# Altium PCB druino_uno_pcb.PcbDoc (part 2 of 3)
Units mm, origin at the board's own origin, x right, y up, seen from the top; angles counter-clockwise.
Board outline 68.58 x 53.34 mm, 4 copper layers (TOP, PWR, GND, BOT), stack 1.466 mm thick; 228 components, 134 nets, 720 pads, 314 vias.
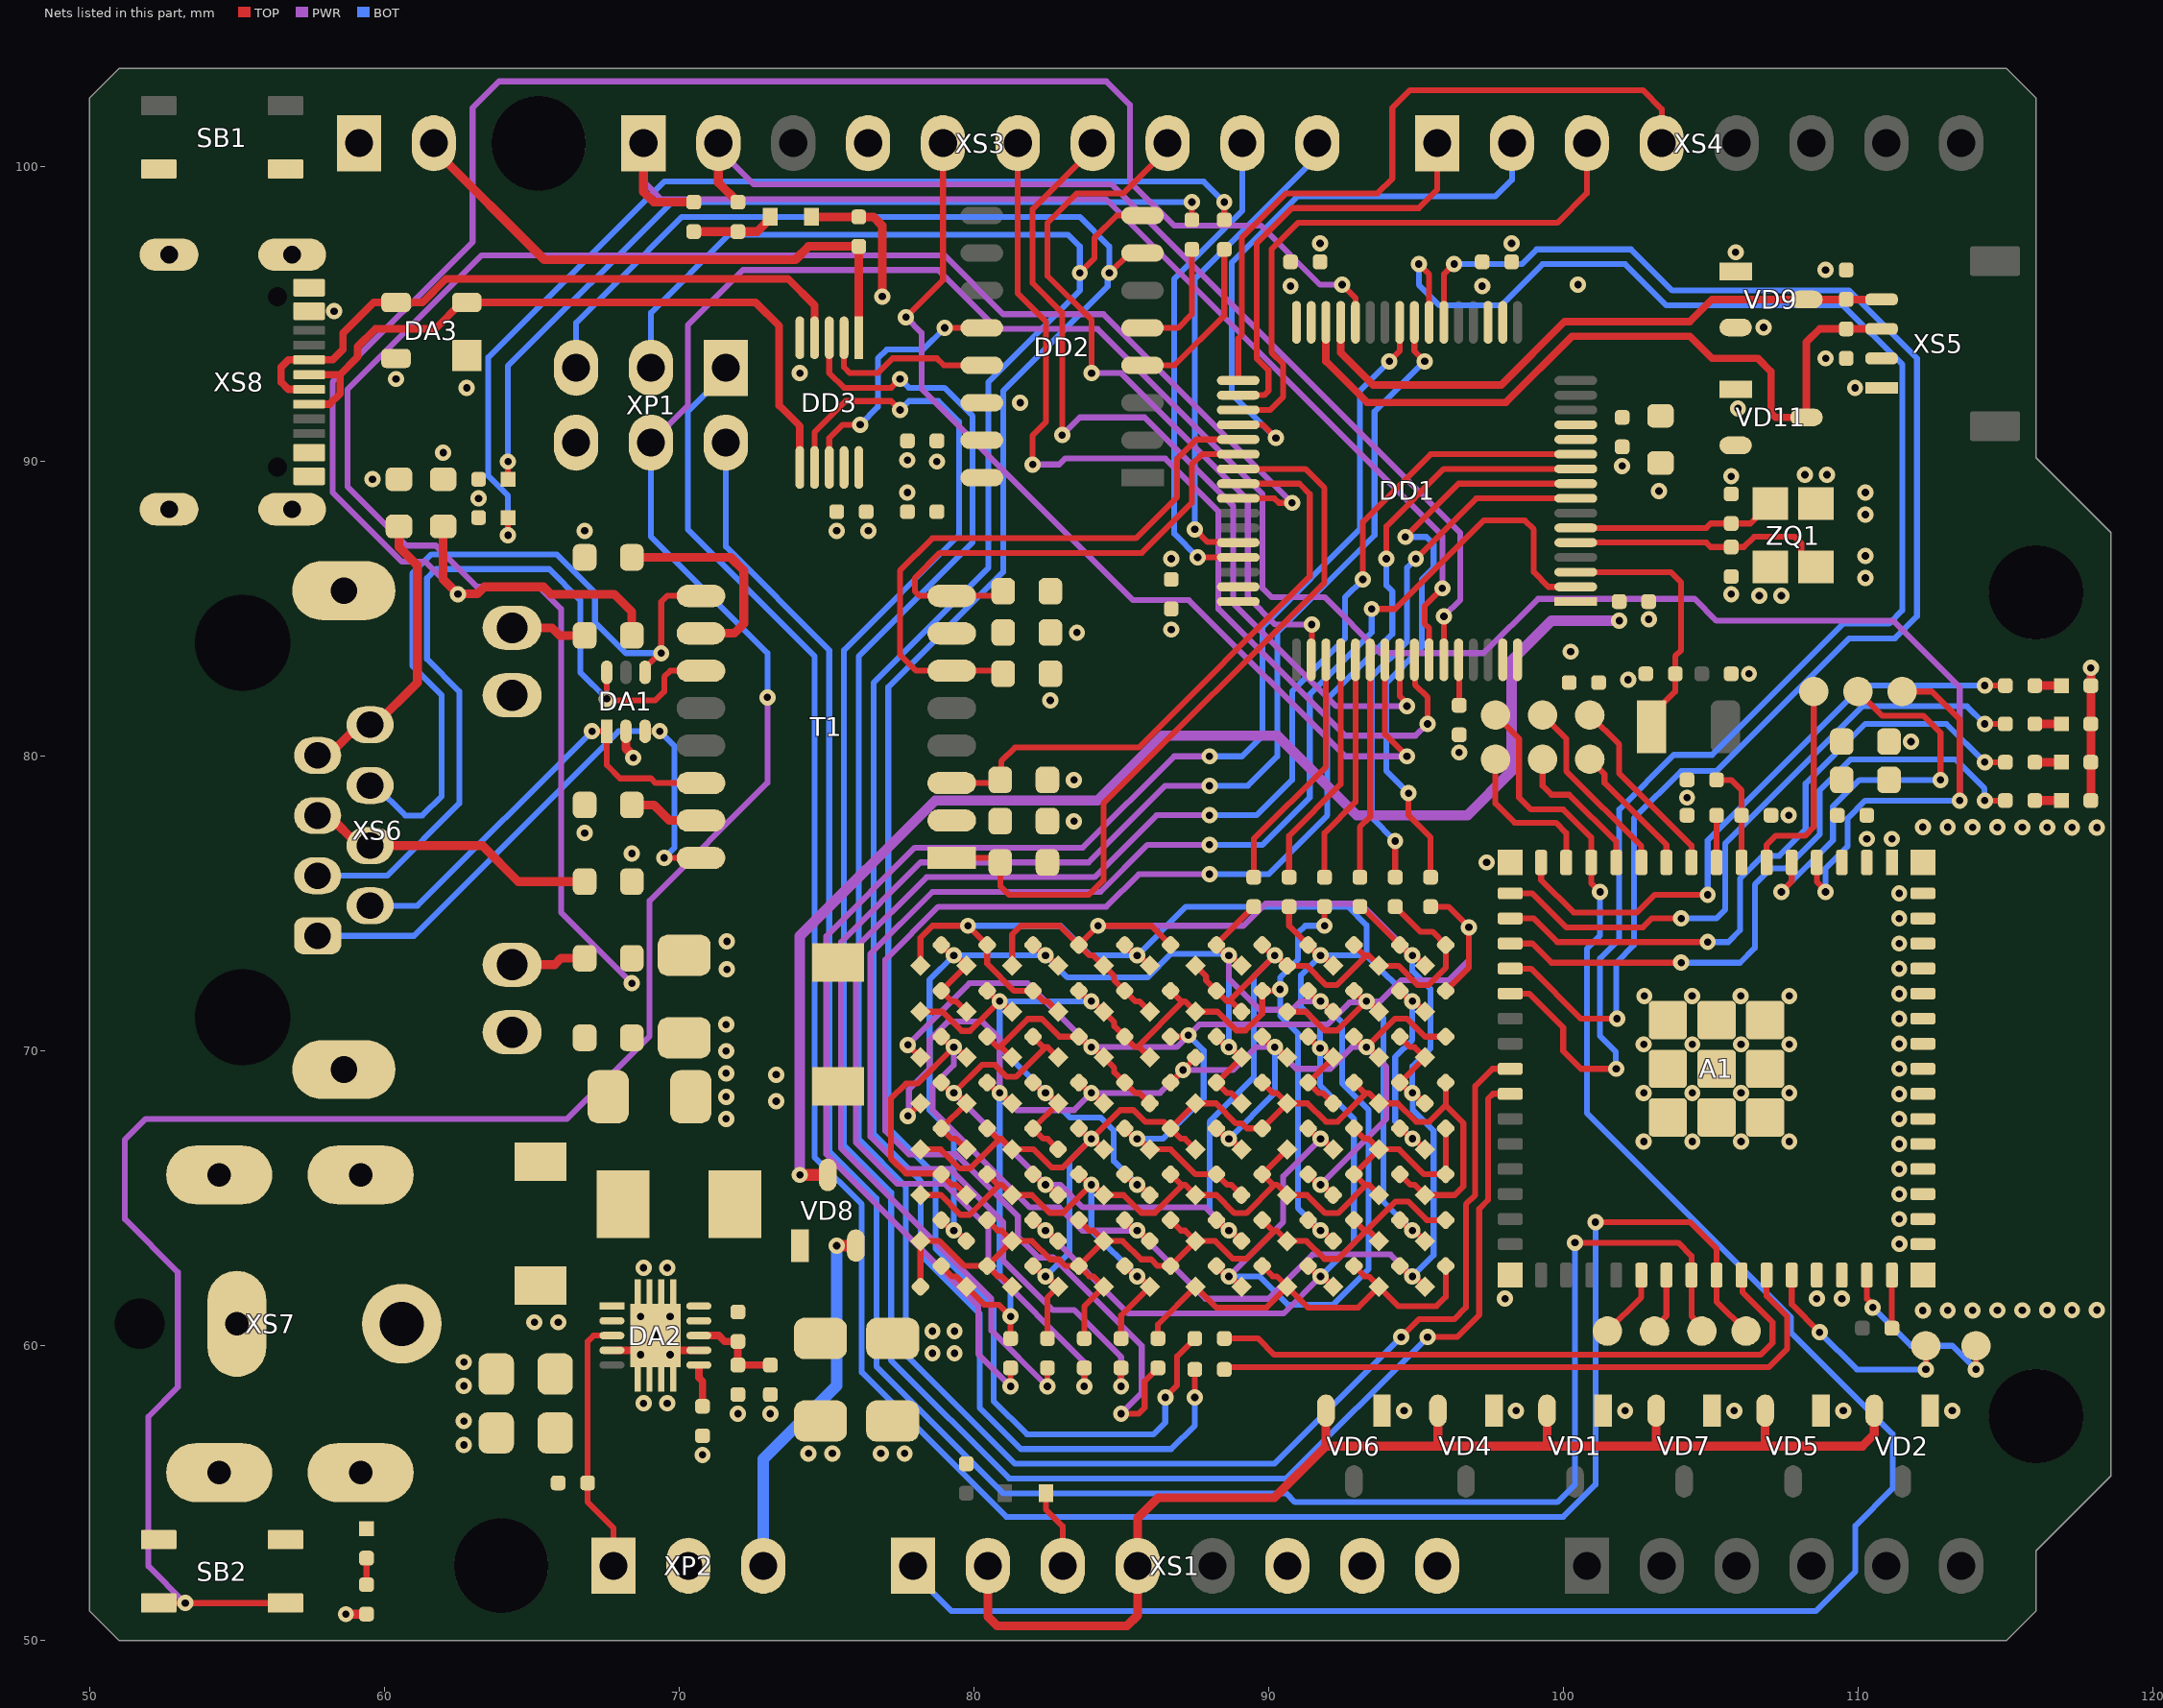
[diagram p4: the nets of this part, all layers, seen from the top]

## Via types
v1: diameter 0.55, hole 0.25, TOP to BOT, tented both sides, 314 vias

## Nets (pads, with @x,y where several pads share a name; then routed paths per layer and width w, separated by ;. In a path a pad name is that pad's centre, name@x,y a point inside that pad or via, vN(x,y) a via of type N, cw(c..) or ccw(c..) an arc to the next point about the centre after c; other vN are vias at no path point) (continued)
D4: DD1.33 XS4.4 | length 24
  TOP w0.2: DD1.33@88.975,92.75 88.975,94.175 89.1,94.3 89.1,97.6 90.6,99.1 93.7,99.1 94.2,99.6 94.2,102 94.8,102.6 102.7,102.6 103.34,101.96 XS4.4@103.34,100.8
D5: DD1.35 XS4.3 | length 20.1
  TOP w0.2: DD1.35@88.975,91.75 90.05,91.75 90.5,92.2 90.5,93.3 90.1,93.7 90.1,97.2 91,98.1 99.8,98.1 100.8,99.1 XS4.3@100.8,100.8
D6: DD1.36 XS4.2 | length 19.9
  TOP w0.2: DD1.36@88.975,91.25 89.8,91.25 v1(90.25,90.8)
  BOT w0.2: v1(90.25,90.8) 88.75,92.3 88.75,96.75 91,99 97.7,99 98.26,99.56 XS4.2@98.26,100.8
D7: DD1.34 XS4.1 | length 14.7
  TOP w0.2: DD1.34@88.975,92.25 89.85,92.25 90,92.4 90,93.1 89.6,93.5 89.6,97.4 90.8,98.6 95.1,98.6 95.72,99.22 XS4.1@95.72,100.8
D8: DD1.44 XS3.10 | length 16.5
  TOP w0.2: v1(87.5,87.7) 87.931,87.269 88.956,87.269 DD1.44@88.975,87.25
  BOT w0.2: v1(87.5,87.7) 87.5,96.2 91.656,100.356 XS3.10@91.656,100.8
D9: DD1.45 XS3.9 | length 16.8
  TOP w0.2: v1@87.5,86.75 DD1.45@88.975,86.75
  BOT w0.2: v1(87.6,86.75) 86.8,87.55 86.8,96.2 89.116,98.516 XS3.9@89.116,100.8
D10_FSS#: DD1.50 XS3.8 | length 25.2
  TOP w0.2: v1(84,93) 84,94.8 82.5,96.3 82.5,98.1 83.5,99.1 85.076,99.1 86.576,100.6 XS3.8@86.576,100.8 ; DD1.50@91.45,83.275 91.469,83.294 v1(91.469,84.469)
  PWR w0.2: v1(84,93) 85,93 89.3,88.7 89.3,85.4 90.231,84.469 v1(91.469,84.469) v1@91.5,84.5
D11_DIN: DD1.56 XS3.7 | length 30.8
  TOP w0.2: v1(83,90.9) 83,95.05 82,96.05 82,98.564 84.036,100.6 XS3.7@84.036,100.8 ; DD1.56@94.45,83.275 94.45,82.045 94.7,81.795 v1(94.7,81.7)
  PWR w0.2: v1(83,90.9) 83.6,91.5 85.8,91.5 88.8,88.5 88.8,85.2 92.3,81.7 v1(94.7,81.7)
D12_DOUT: DD1.57 XS3.6 | length 33.3
  TOP w0.2: XS3.6@81.496,100.8 81.496,95.704 82.45,94.75 82.45,91.339 82,90.889 v1(82,89.9) ; DD1.57@94.95,83.275 94.969,83.256 94.969,82.431 95.4,82 v1(95.4,81.1)
  PWR w0.2: v1(82,89.9) 82.9,89.9 83.1,90.1 86.5,90.1 88.3,88.3 88.3,85 92.6,80.7 94.987,80.7 95.387,81.1 v1(95.4,81.1)
D13_SCLK: DD1.55 XS3.5 | length 34.3
  TOP w0.2: v1(77.7,94.9) 78.956,96.156 XS3.5@78.956,100.8 ; DD1.55@93.95,83.275 93.95,80.75 v1(94.7,80)
  PWR w0.2: v1(77.7,94.9) 78.232,94.368 78.232,92.468 85.4,85.3 87.3,85.3 92.6,80 v1(94.7,80)
D18_SDA: DD1.59 R7.2 XS3.2 | length 37.6
  TOP w0.2: DD1.59@95.95,83.275 v1(95.95,84.75)
  TOP w0.3: XS3.2@71.336,100.8 71.336,99.464 R7.2@72,98.8
  PWR w0.2: XS3.2@71.336,100.8 71.336,100.6 72.536,99.4 84.687,99.4 96.5,87.587 96.5,85.3 v1(95.95,84.75)
D19_SCL: DD1.58 R6.2 XS3.1 | length 41.4
  TOP w0.2: DD1.58@95.45,83.275 95.45,84.35 95.3,84.5 95.3,85.1 v1(95.9,85.7)
  TOP w0.3: XS3.1@68.796,100.8 68.796,99.154 69.15,98.8 R6.2@70.5,98.8
  PWR w0.2: XS3.1@68.796,100.8 68.796,99.504 69.4,98.9 84.488,98.9 95.9,87.488 v1(95.9,85.7)
EGND: C15.1 DA1.2 R22.1 R23.1 R24.1 R25.1 | length 0.9
  TOP w0.3: DA1.2@68.2,80.85 68.2,80.268 v1@68.45,80.018
  other v1: 71.625,72.775 71.625,73.725 68.4,76.7 66.8,77.4 68.45,79.95 66.8,87.65 59.6,89.4
ESP32_IO: A1.13 KT14.1 XS1.1 | length 69.5
  TOP w0.2: KT14.1@97.7,81.4 98.5,80.6 98.5,78.6 98.9,78.2 99.997,78.2 100.95,77.247 A1.13@100.95,76.4 100.95,75.7 v1(101.25,75.4)
  BOT w0.2: XS1.1@77.94,52.54 78.59,51.89 78.59,51.66 79.25,51 108.565,51 109.91,52.345 109.91,53.897 111.175,55.162 111.175,57.012 107.725,60.462 107.725,60.975 100.8,67.9 100.8,73.475 101.25,73.925 v1(101.25,75.4)
ESP32_LED0: A1.15 R8.2 | length 21.1
  TOP w0.2: A1.15@99.25,76.4 99.251,76.399 99.251,75.799 100.35,74.7 102.5,74.7 103.1,75.3 v1(104.9,75.3) ; v1(114.3,82.4) R8.2@115,82.4
  BOT w0.2: v1(104.9,75.3) 104.9,77.15 110.15,82.4 v1(114.3,82.4)
ESP32_LED1: A1.16 R9.2 | length 22
  TOP w0.2: A1.16@98.2,75.35 98.95,75.35 100.1,74.2 102.7,74.2 103.01,74.51 103.99,74.51 v1(104,74.5) ; v1(114.3,81.1) R9.2@115,81.1
  BOT w0.2: v1(104,74.5) 105.2,74.5 105.5,74.8 105.5,77.05 110.15,81.7 113.7,81.7 v1(114.3,81.1)
ESP32_LED2: A1.17 R10.2 | length 22.7
  TOP w0.2: A1.17@98.2,74.5 99,74.5 99.8,73.7 v1(104.9,73.7) ; v1(114.3,79.8) R10.2@115,79.8
  BOT w0.2: v1(104.9,73.7) 105.6,73.7 106,74.1 106,75.85 106.775,76.625 107.325,76.625 108.225,77.525 108.225,79.075 110.25,81.1 113,81.1 v1(114.3,79.8)
ESP32_LED3: A1.18 R11.2 | length 22.9
  TOP w0.2: A1.18@98.2,73.65 98.95,73.65 99.6,73 v1(104,73) ; v1(114.3,78.5) R11.2@115,78.5
  BOT w0.2: v1(104,73) 106,73 106.5,73.5 106.5,75.65 107.05,76.2 107.55,76.2 108.7,77.35 108.7,78.85 109.75,79.9 113.3,79.9 114.293,78.907 114.293,78.507 v1(114.3,78.5)
ESP32_RESET#: A1.45 R14.1 | length 1.8
  TOP w0.2: R14.1@111.15,60.6 A1.45@111.15,62.4
ESP32_RX: A1.39 R13.2 | length 21.7
  TOP w0.2: R13.2@88.5,60.25 89.65,60.25 90.2,59.7 106.7,59.7 107.1,60.1 107.1,60.8 106.076,61.824 106.076,62.374 A1.39@106.05,62.4
ESP32_TX: A1.40 R12.2 | length 22.2
  TOP w0.2: R12.2@88.5,59.2 88.575,59.275 106.975,59.275 107.6,59.9 107.6,60.996 106.901,61.694 106.901,62.399 A1.40@106.9,62.4
ESP32_USB_N: A1.23 DD3.3 | length 72.8
  TOP w0.2: DD3.3@75.1,94.2 75.1,93 75.6,92.5 77.2,92.5 v1(77.5,92.8) ; v1(94.5,60.3) 95.1,60.9 96.3,60.9 96.7,61.3 96.7,64.8 97.014,65.114 97.014,68.814 97.6,69.4 A1.23@98.2,69.4
  BOT w0.2: v1(77.5,92.8) 77.8,92.5 79,92.5 79.96,91.54 79.96,87.26 76.1,83.4 76.1,67 77.7,65.4 77.7,59.7 81.4,56 90.2,56 v1(94.5,60.3)
ESP32_USB_P: A1.24 DD3.7 | length 73.4
  TOP w0.2: DD3.7@74.6,89.8 74.606,89.806 74.606,91.006 75.65,92.05 77.2,92.05 v1(77.5,91.75) ; v1(95.4,60.3) 96.4,60.3 97.15,61.05 97.15,64.65 97.45,64.95 97.45,68.383 97.617,68.55 A1.24@98.2,68.55
  BOT w0.2: v1(77.5,91.75) 77.8,92.05 78.8,92.05 79.5,91.35 79.5,87.5 75.6,83.6 75.6,66.8 77.2,65.2 77.2,59.5 81.2,55.5 90.6,55.5 v1(95.4,60.3)
ESP_DOWNLOAD: A1.4 KT7.1 SB2.1 SB2.2 XP1.4 | length 139
  TOP w0.2: SB2.2@52.35,51.275 v1(53.25,51.275) SB2.1@56.65,51.275 ; A1.4@108.6,76.4 108.6,75.748 108.9,75.448 v1(108.9,75.4) ; KT7.1@111.5,82.2 112.5,82.2 113.45,81.25 v1(113.45,78.5)
  PWR w0.2: v1(53.25,51.275) 52,52.525 52,57.6 53,58.6 53,62.5 51.2,64.3 51.2,67 51.9,67.7 66.2,67.7 69,70.5 69,75.1 73,79.1 v1(73,82) ; XP1.4@69.05,90.64 70.3,91.89 70.3,94.63 72.17,96.5 78.8,96.5 80.8,94.5 84.2,94.5 89.8,88.9 89.8,85.7 90.1,85.4 91.9,85.4 93.8,83.5 97.3,83.5 99.144,85.344 104.456,85.344 105.2,84.6 111.2,84.6 113.45,82.35 v1(113.45,78.5)
  BOT w0.2: XP1.4@69.05,90.64 69.05,87.45 73,83.5 v1(73,82) ; v1(108.9,75.4) 108.9,76.2 109.65,76.95 109.65,77.9 110.25,78.5 v1(113.45,78.5)
ETH10_RX_N: DD1.38 R21.2 T1.8 | length 17.1
  TOP w0.2: R21.2@81,85.6 80.845,85.445 T1.8@79.255,85.445 78.155,85.445 78,85.6 78,86.05 78.85,86.9 85.7,86.9 87.4,88.6 87.4,89.9 87.75,90.25 DD1.38@88.975,90.25
ETH10_RX_P: DD1.37 R19.2 T1.6 | length 20.7
  TOP w0.2: R19.2@81,82.8 80.895,82.905 T1.6@79.255,82.905 78.045,82.905 77.5,83.45 77.5,86.3 78.6,87.4 85.5,87.4 86.9,88.8 86.9,90.1 87.55,90.75 DD1.37@88.975,90.75
ETH10_TX_N: DD1.40 R18.1 T1.3 | length 20.8
  TOP w0.2: T1.3@79.255,79.095 80.795,79.095 80.933,79.233 80.933,79.833 81.4,80.3 85.6,80.3 91.4,86.1 91.4,88.9 91.05,89.25 DD1.40@88.975,89.25
ETH10_TX_P: DD1.39 R20.1 T1.1 | length 25.9
  TOP w0.2: T1.1@79.255,76.555 80.745,76.555 R20.1@80.9,76.4 80.9,75.6 81.2,75.3 83.9,75.3 84.4,75.8 84.4,78.4 91.9,85.9 91.9,89.1 91.25,89.75 DD1.39@88.975,89.75
GND: A1.1 A1.2 A1.42 A1.43 A1.46 A1.47 A1.48 A1.49 A1.50 A1.51 A1.52 A1.53 A1.54 A1.55 A1.56 A1.57 A1.58 A1.59 A1.60 A1.EP C1.2 C2.2 C3.2 C4.2 C5.2 C6.2 C7.1 C8.2 C9.2 C10.1 C11.1 C12.2 C13.1 C14.1 C15.2 C16.1 C17.1 C18.1 C19.2 C20.2 C21.1 C22.1 C23.2 C24.2 C25.2 DA2.4 DA2.7 DA2.EP DA3.1 DD1.12 DD1.18 DD1.31 DD1.47 DD1.63 DD2.14 DD3.5 DD3.9 HL5.1 R2.2 R4.2 R16.2 R28.1 R31.2 SB1.1 SB1.2 SB2.3 SB2.4 VD1.1 VD2.1 VD4.1 VD5.1 VD6.1 VD7.1 VD9.1 VD11.1 XP1.6 XP2.2 XP3.1 XS1.6 XS1.7 XS3.4 XS5.1 XS6.9 XS6.11 XS7.2 XS7.3 XS8.A1 XS8.B1 XS8.M1 XS8.M2 XS8.M3 XS8.M4 ZQ1.2 ZQ1.4 | length 2.1
  TOP w0.25: DA2.4@67.725,59.85 68.55,59.85 v1(68.7,59.7) ; v1(69.7,59.7) 69.85,59.85 DA2.7@70.675,59.85
  other v1: 70.8,56.3 74.395,56.35 75.205,56.35 76.85,56.35 77.655,56.35 62.7,56.64 62.7,57.45 72,57.7 73.1,57.7 94.6,57.8 98.4,57.8 102.1,57.8 105.8,57.8 109.5,57.8 113.2,57.8 68.8,58.05 69.6,58.05 62.7,58.64 62.7,59.45 69.2,60.35 68.7,61 69.7,61 112.2,61.2 113.044,61.202 113.887,61.204 114.731,61.207 115.574,61.209 116.418,61.211 117.261,61.213 118.105,61.215 98.025,61.6 108.6,61.6 109.45,61.6 68.8,62.65 69.6,62.65 111.402,63.456 111.4,64.3 111.4,65.15 111.4,66 111.4,66.85 102.73,66.93 104.38,66.93 106.03,66.93 107.67,66.93 71.6,67.7 111.4,67.7 71.6,68.45 111.4,68.55 102.73,68.58 104.38,68.58 106.03,68.58 107.67,68.58 71.6,69.25 111.4,69.4 71.6,70 102.73,70.23 104.38,70.23 106.03,70.23 107.67,70.23 111.4,70.25 71.6,70.9 111.4,71.1 102.75,71.87 104.37,71.87 106.02,71.87 107.67,71.87 111.4,71.95 111.4,72.8 111.4,73.65 111.4,74.5 111.4,75.35 97.4,76.4 110.3,77.2 111.15,77.2 112.2,77.6 113.044,77.598 113.887,77.596 114.731,77.593 115.574,77.591 116.418,77.589 117.261,77.587 118.105,77.585 83.4,77.8 107.65,78 96.469,80.131 102.2,82.6 106.3,82.8 83.5,84.2 102.9,84.65 106.65,85.45 107.4,85.45 105.7,85.5 110.25,86.05 86.7,86.7 110.25,86.8 75.35,87.65 110.25,88.2 77.75,88.95 110.25,88.95 105.7,89.5 108.2,89.55 108.95,89.55 102,89.85 77.75,90.05 62,90.3 105.925,91.8 81.575,91.995 62.8,92.5 109.9,92.5 74.1,93 105.85,97.1 91.75,97.4 98.25,97.4
GPIO_ROW0: DD1.51 R36.2 | length 8.4
  TOP w0.2: R36.2@89.5,75.9 89.5,77.2 91.95,79.65 DD1.51@91.95,83.275
GPIO_ROW1: DD1.52 R37.2 | length 8.1
  TOP w0.2: R37.2@90.7,75.9 90.7,77.3 92.45,79.05 DD1.52@92.45,83.275
GPIO_ROW2: DD1.54 R38.2 | length 7.5
  TOP w0.2: R38.2@93.1,75.9 93.1,77.6 93.45,77.95 DD1.54@93.45,83.275
GPIO_ROW3: DD1.8 R39.2 | length 18
  TOP w0.2: R39.2@94.3,75.9 v1(94.3,77.125) ; v1(95,86.7) 97.05,88.75 DD1.8@100.425,88.75
  BOT w0.2: v1(94.3,77.125) 93.5,77.925 93.5,82.7 94.7,83.9 94.7,86.4 v1(95,86.7)
GPIO_ROW4: DD1.53 R40.2 | length 7.8
  TOP w0.2: R40.2@91.9,75.9 91.9,77.4 92.95,78.45 DD1.53@92.95,83.275
GPIO_ROW5: DD1.9 R41.2 | length 20.2
  TOP w0.2: v1(94.643,87.443) 96.45,89.25 DD1.9@100.425,89.25 ; v1(94.75,78.75) 94.75,78 95.5,77.25 R41.2@95.5,75.9
  BOT w0.2: v1(94.643,87.443) 95.357,87.443 95.6,87.2 95.6,86.4 95.2,86 95.2,83.7 94,82.5 94,79.5 v1(94.75,78.75)
GPIO_ROW6: DD1.25 R42.2 | length 52.1
  TOP w0.2: v1(81.25,58.625) R42.2@81.25,59.25 ; v1(94.1,93.4) 94.45,93.75 DD1.25@94.45,94.725
  PWR w0.2: v1(81.25,58.625) 80.15,59.725 80.15,61.35 75,66.5 75,73.9 78,76.9 83.7,76.9 86.8,80 v1(88,80)
  BOT w0.2: v1(88,80) 89.1,80 89.8,80.7 89.8,84.4 93.1,87.7 93.1,92.4 v1(94.1,93.4)
GPIO_ROW7: DD1.24 R43.2 | length 53
  TOP w0.2: v1(82.5,58.625) R43.2@82.5,59.25 ; DD1.24@94.95,94.725 94.95,93.75 v1(95.3,93.4)
  PWR w0.2: v1(82.5,58.625) 80.6,60.525 80.6,61.6 75.5,66.7 75.5,73.7 78.2,76.4 83.9,76.4 86.5,79 v1(88,79)
  BOT w0.2: v1(88,79) 89.3,79 90.3,80 90.3,84.2 93.6,87.5 93.6,91.7 v1(95.3,93.4)
GPIO_ROW8: DD1.2 R44.2 | length 54.5
  TOP w0.2: v1(85,58.625) R44.2@85,59.25 ; v1(93.5,85) 94.3,85 97.3,88 98.7,88 99,87.7 99,86.25 99.5,85.75 DD1.2@100.425,85.75
  PWR w0.2: v1(85,58.625) 85,59.625 83.415,61.21 82.69,61.21 81,62.9 81,64.2 79.2,66 77.6,66 76.5,67.1 76.5,73.3 78.6,75.4 84.3,75.4 85.9,77 v1(88,77)
  BOT w0.2: v1(88,77) 89.8,77 91.4,78.6 91.4,82.1 93.5,84.2 v1(93.5,85)
GPIO_ROW9: DD1.11 R45.2 | length 54.7
  TOP w0.2: v1(83.75,58.625) R45.2@83.75,59.25 ; v1(93.2,86) 93.2,87.95 95.5,90.25 DD1.11@100.425,90.25
  PWR w0.2: v1(83.75,58.625) 83.75,59.45 80.5,62.7 80.5,64 79,65.5 77.4,65.5 76,66.9 76,73.5 78.4,75.9 84.1,75.9 86.2,78 v1(88,78)
  BOT w0.2: v1(88,78) 89.6,78 90.8,79.2 90.8,82.2 92.6,84 92.6,85.4 v1(93.2,86)
GPIO_ROW10: DD1.10 R46.2 | length 58
  TOP w0.2: v1(85,57.7) 85.6,57.7 85.8,57.9 85.8,58.8 R46.2@86.25,59.25 ; v1(94,86.7) 94,87.8 95.95,89.75 DD1.10@100.425,89.75
  PWR w0.2: v1(85,57.7) 85.7,58.4 85.7,60 82.7,63 82.2,63 81.5,63.7 81.5,64.4 79.4,66.5 77.8,66.5 77,67.3 77,73.1 78.8,74.9 84.5,74.9 85.6,76 v1(88,76)
  BOT w0.2: v1(88,76) 90,76 92,78 92,81.95 94.2,84.15 94.2,85.6 94,85.8 v1(94,86.7)
IO_41_MTDI: A1.37 KT3.1 XP1.2 | length 74.3
  TOP w0.2: v1(100.4,63.5) 103.9,63.5 104.35,63.05 A1.37@104.35,62.4 104.35,61.017 104.7,60.667 KT3.1@104.7,60.5
  BOT w0.2: XP1.2@71.59,90.64 71.59,87.11 75.1,83.6 75.1,66.6 76.7,65 76.7,59.3 81,55 90.6,55 90.9,54.7 99.8,54.7 100.4,55.3 v1(100.4,63.5)
IO_42_MTMS: A1.38 KT4.1 XP1.1 | length 81
  TOP w0.2: v1(101.093,64.193) 104.307,64.193 105.2,63.3 A1.38@105.2,62.4 105.2,61.5 KT4.1@106.2,60.5
  BOT w0.2: XP1.1@71.59,93.18 71.59,92.98 70.3,91.69 70.3,87.7 74.6,83.4 74.6,66.4 76.2,64.8 76.2,59.1 81.1,54.2 100,54.2 101.093,55.293 v1(101.093,64.193)
IO_45: A1.41 KT5.1 | length 7.3
  TOP w0.2: A1.41@107.75,62.4 107.75,61.411 v1(108.7,60.461) ; v1(112.3,59.2) KT5.1@112.3,60
  BOT w0.2: v1(108.7,60.461) 109.961,59.2 v1(112.3,59.2)
IO_46: A1.44 KT6.1 | length 6.4
  TOP w0.2: A1.44@110.3,62.4 110.3,61.595 110.5,61.395 v1(110.5,61.3) ; v1(114,59.2) KT6.1@114,60
  BOT w0.2: v1(110.5,61.3) 111.8,60 113.2,60 v1(114,59.2)
LED_CON: DD2.5 R35.2 | length 4.1
  TOP w0.2: DD2.5@85.725,94.535 86.935,94.535 87.4,95 R35.2@87.4,97.2
LED_GREEN: DD1.41 R26.2 | length 65.3
  TOP w0.2: DD1.41@88.975,88.75 90.2,88.75 90.35,88.6 v1(90.8,88.6)
  PWR w0.2: v1(68.4,72.3) 66,74.7 66,85 65.25,85.75 63.15,85.75 61.75,87.15 60.75,87.15 58.75,89.15 58.75,92.45 63.3,97 79,97 81,95 84.4,95 v1(90.8,88.6)
LED_RED: DD1.28 R4.1 R27.2 | length 66.1
  TOP w0.2: v1(92.5,96) 92.95,95.55 DD1.28@92.95,94.725
  TOP w0.3: R4.1@62,87.8 62,86 v1(62.5,85.5) 62.513,85.513 63.163,85.513 63.4,85.75 65.4,85.75 65.65,85.5 67.8,85.5 68.4,84.9 R27.2@68.4,84.1
  PWR w0.2: v1(62.5,85.5) 61.4,86.6 60.6,86.6 58.25,88.95 58.25,92.7 63,97.45 63,102 63.9,102.9 84.5,102.9 85.3,102.1 85.3,99.5 86.8,98 89.75,98 91.75,96 v1(92.5,96)
LED_RUN: DD2.4 R34.2 | length 5.7
  TOP w0.2: DD2.4@85.725,93.265 86.815,93.265 88.5,94.95 R34.2@88.5,97.2
MCU_VBAT: C1.1 DD1.1 VD8.3 | length 45.7
  TOP w0.4: v1(74.1,65.8) VD8.3@75.05,65.8
  PWR w0.35: v1(74.1,65.8) 74.1,73.9 78.7,78.5 84.2,78.5 86.4,80.7 90.3,80.7 93,78 96.75,78 98.25,79.5 98.25,83.25 99.6,84.6 v1(101.9,84.6)
MTCK: A1.35 KT1.1 | length 2.4
  TOP w0.2: KT1.1@101.5,60.5 102.65,61.65 A1.35@102.65,62.4
MTDO: A1.36 KT2.1 | length 2.1
  TOP w0.2: KT2.1@103.1,60.5 103.1,60.617 103.5,61.017 A1.36@103.5,62.4
NetA1_3: A1.3 C11.2 C12.1 Z2.1
NetA1_5: A1.5 KT8.1 | length 13.7
  TOP w0.2: v1(107.4,75.4) 107.75,75.75 A1.5@107.75,76.4 ; KT8.1@110,82.2 110.824,81.376 112.224,81.376 112.8,80.8 v1(112.8,79.2)
  BOT w0.2: v1(107.4,75.4) 109.15,77.15 109.15,78.3 110.05,79.2 v1@112.7,79.2
NetA1_6: A1.6 KT9.1 | length 7
  TOP w0.2: A1.6@106.9,76.4 106.9,77 107.2,77.3 108.2,77.3 108.5,77.6 KT9.1@108.5,82.2
NetA1_7: A1.7 R15.2 R16.1 | length 3.4
  TOP w0.2: R15.2@105.2,79.2 105.7,79.2 106.05,78.85 R16.1@106.05,78 A1.7@106.05,76.4
NetA1_8: A1.8 R17.2 | length 1.6
  TOP w0.2: A1.8@105.2,76.4 R17.2@105.2,78
NetA1_9: A1.9 KT10.1 | length 6.4
  TOP w0.2: KT10.1@100.9,81.4 101.9,80.4 101.9,79.42 104.35,76.97 A1.9@104.35,76.4
NetA1_10: A1.10 KT11.1 | length 4.6
  TOP w0.2: KT11.1@100.9,79.9 101.4,79.4 101.4,79.1 103.499,77.001 A1.10@103.5,76.4 A1.10@103.5,76.4
NetA1_11: A1.11 KT12.1 | length 6.4
  TOP w0.2: KT12.1@99.3,81.4 100.1,80.6 100.1,79.5 102.65,76.95 A1.11@102.65,76.4
NetA1_12: A1.12 KT13.1 | length 4.9
  TOP w0.2: KT13.1@99.3,79.9 99.3,79 99.6,78.7 100.2,78.7 101.8,77.1 A1.12@101.8,76.4
NetA1_14: A1.14 KT15.1 | length 5.3
  TOP w0.2: KT15.1@97.7,79.9 97.7,78.4 98.351,77.749 99.751,77.749 100.1,77.4 A1.14@100.1,76.4
NetC5_1: C5.1 DD1.13 Z1.2
NetC16_2: C16.2 R28.2 XS6.M1 XS6.M2
NetC19_1: C19.1 DA2.6 | length 1.5
  TOP w0.254: DA2.6@70.675,59.35 70.675,58.925 70.8,58.8 C19.1@70.8,57.95
NetC20_1: C20.1 DA2.8 R30.2 R31.1 | length 3.3
  TOP w0.254: DA2.8@70.675,60.35 71.35,60.35 71.55,60.15 R30.2@72,60.15 R31.1@72,59.35 C20.1@73.1,59.35
NetDA2_1: DA2.1 L1.1
NetDA2_10: DA2.10 L1.2
NetDA3_2: DA3.2 DD3.6 XS8.A6 XS8.B6 | length 24.4